# Altium PCB fmuvxX-baseT1.PcbDoc (part 2 of 5) (continued)
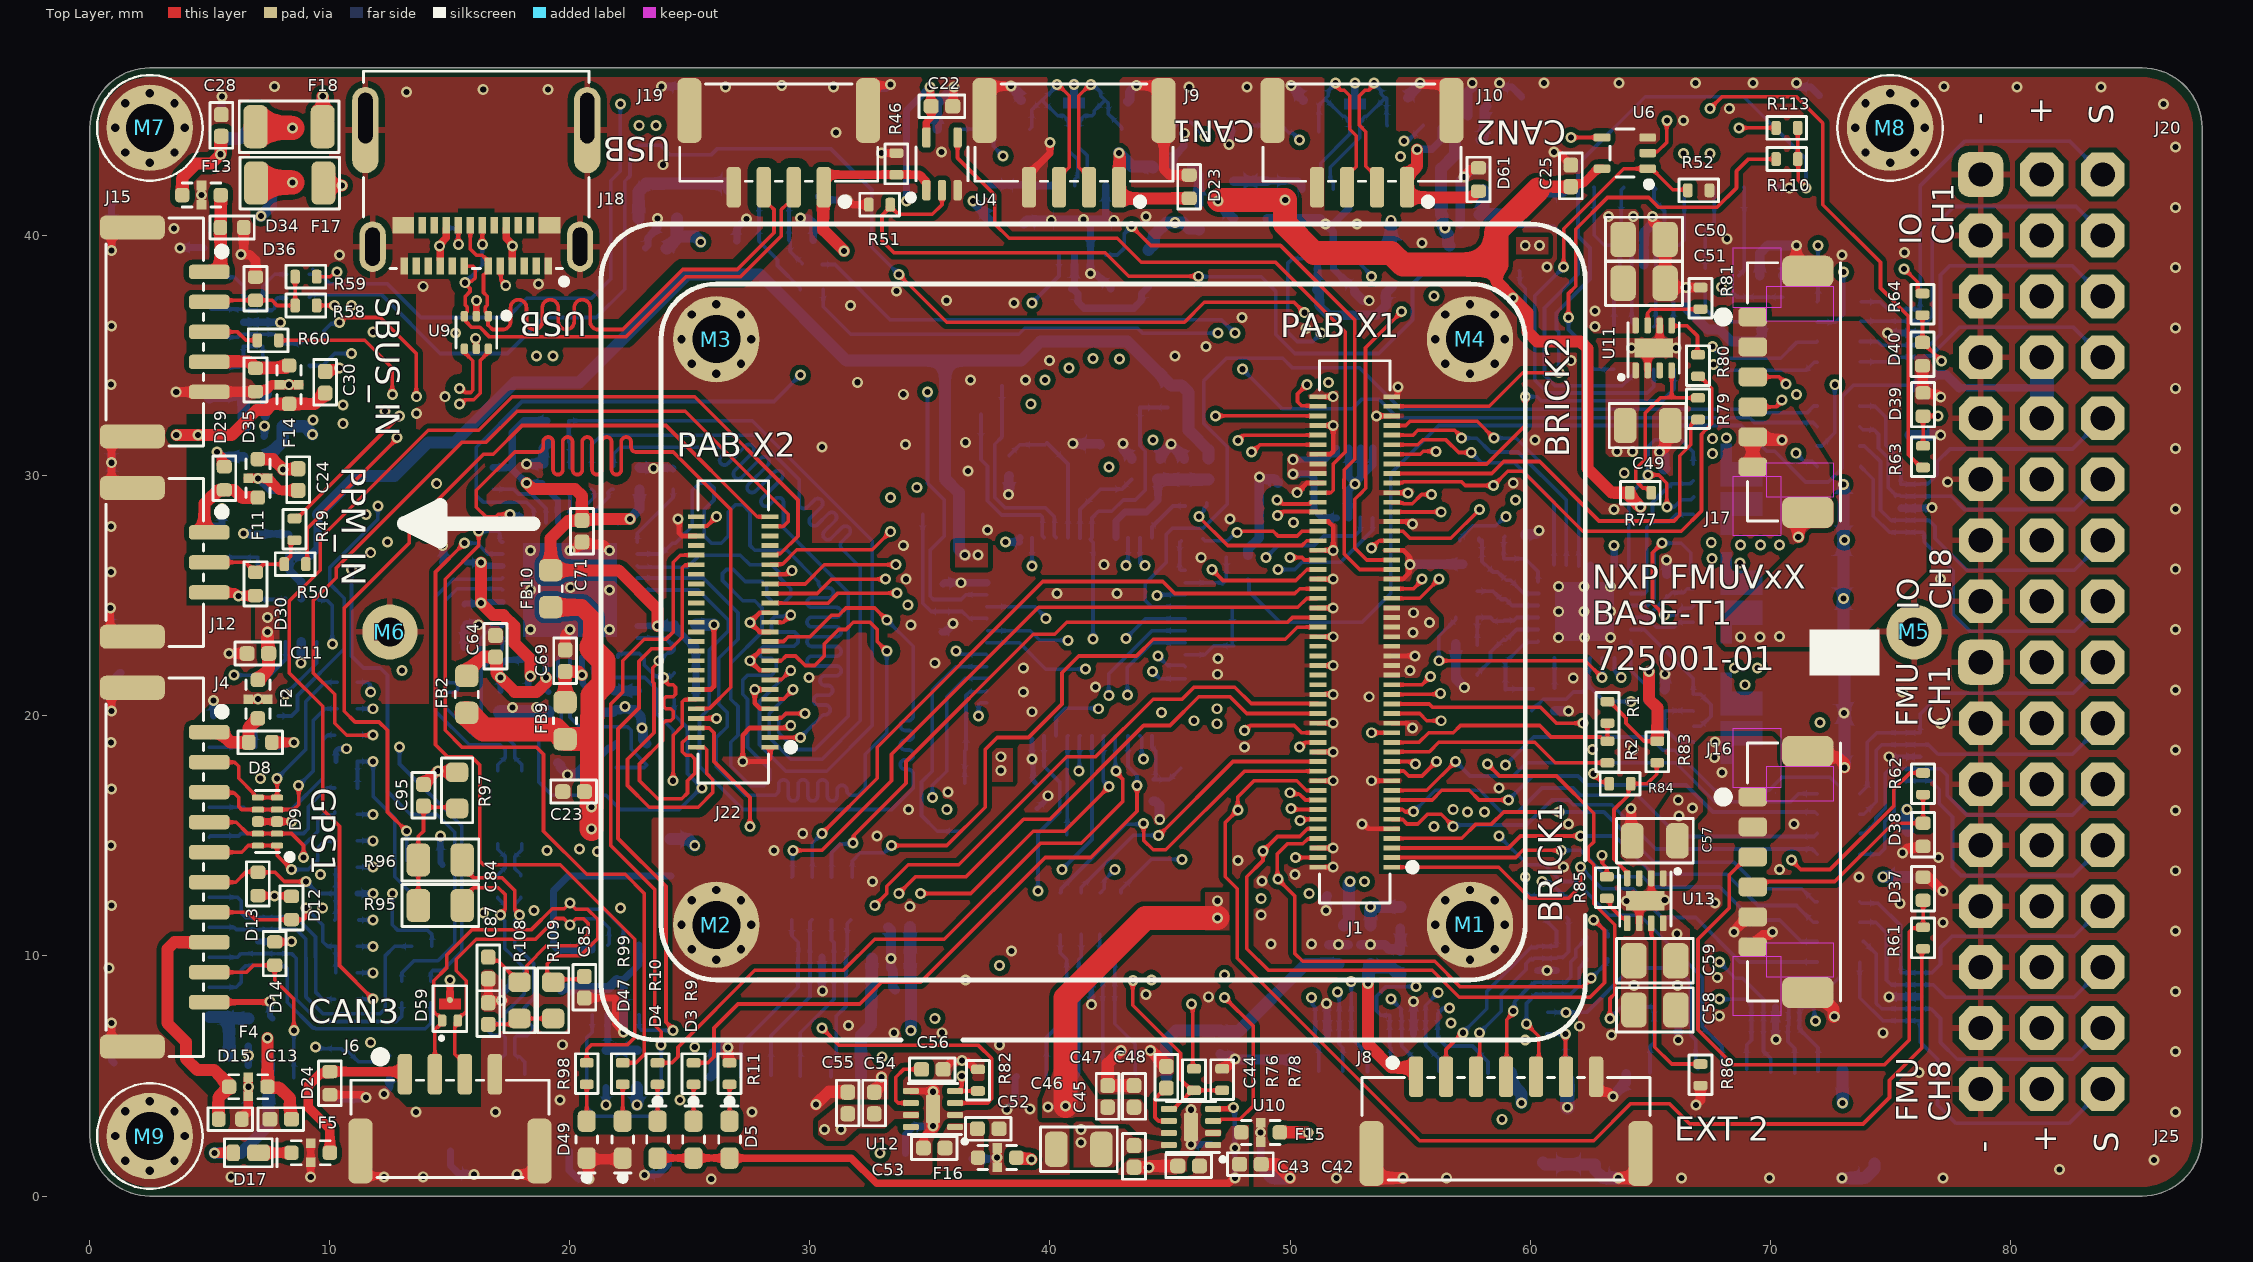
[diagram p0: Top Layer view]
## Part data (continued)
R3 R7 R8 R12 R14 R26 R27 R37 R47 R51 R52 R55 R56 R57 R60 R76 R82 R91 R92 R93 R94 R100: library part RES_10K_1%_1/16W_0402, Manufacturer="Vishay Dale", Manufacturer Part Number=CRCW040210K0FKED, Operating Temperature="-55°C ~ 155°C", Power=1/16W, Supplier Part Number 1=541-10.0KLCT-ND, Tolerance=±1%, Category=Resistors, ComponentLink1Description=https://www.digikey.com/products/en?keywords=311-10.0KLRCT-ND, ComponentLink1URL=https://www.digikey.com/products/en?keywords=311-10.0KLRCT-ND, Packaging="Cut Tape (CT)", Part Status=Active, Pricing 1="1=0.1, 10=0.014, 100=0.0056, 1000=0.00253, 2500=0.0022, 5000=0.00181 (USD)", Stock 1=37996194, Supplier 1=Digi-Key
R4: library part RES_20K_1%_1/16W_0402, Manufacturer=Yageo, Manufacturer Part Number=RC0402FR-0720KL, Operating Temperature="-55°C ~ 155°C", Power=1/16W, Supplier Part Number 1=311-20.0KLRCT-ND, Tolerance=±1%, Category=Resistors, ComponentLink1Description=https://www.digikey.com/products/en?keywords=311-20.0KLRCT-ND, ComponentLink1URL=https://www.digikey.com/products/en?keywords=311-20.0KLRCT-ND, Packaging="Cut Tape (CT)", Part Status=Active, Pricing 1="1=0.1, 10=0.014, 100=0.0056, 1000=0.00253, 2500=0.0022, 5000=0.00181 (USD)", Stock 1=8493470, Supplier 1=Digi-Key
R5 R6 R16 R17 R20 R21 R28 R29 R32 R33 R49 R50 R53 R58 R59 R104 R105: library part RES_220_1%_1/16W_0402, Manufacturer=Yageo, Manufacturer Part Number=RC0402FR-07220RL, Operating Temperature="-55°C ~ 155°C", Power=1/16W, Supplier Part Number 1=311-220LRCT-ND, Tolerance=±1%, Category=Resistors, ComponentLink1Description=https://www.digikey.com/products/en/resistors/chip-resistor-surface-mount/52?k=RC0402FR-07220RL&k=&pkeyword=RC0402FR-07220RL&pv7=2&sf=0&quantity=&ColumnSort=0&page=1&pageSize=25, ComponentLink1URL=https://www.digikey.com/products/en/resistors/chip-resistor-surface-mount/52?k=RC0402FR-07220RL&k=&pkeyword=RC0402FR-07220RL&pv7=2&sf=0&quantity=&ColumnSort=0&page=1&pageSize=25, Packaging="Cut Tape (CT)", Part Status=Active, Pricing 1="1=0.1, 10=0.014, 100=0.0056, 1000=0.00253, 2500=0.0022, 5000=0.00181 (USD)", Stock 1=897942, Supplier 1=Digi-Key
R9 R25: library part RES_1K5_1%_1/16W_0402, Manufacturer=Yageo, Manufacturer Part Number=RC0402FR-071K5L, Operating Temperature="-55°C ~ 155°C", Power=1/16W, Supplier Part Number 1=311-1.50KLRCT-ND, Tolerance=±1%, Category=Resistors, ComponentLink1Description=https://www.digikey.com/products/en/resistors/chip-resistor-surface-mount/52?k=RC0402FR-071K5L&k=&pkeyword=RC0402FR-071K5L&pv7=2&sf=0&quantity=&ColumnSort=0&page=1&pageSize=25, ComponentLink1URL=https://www.digikey.com/products/en/resistors/chip-resistor-surface-mount/52?k=RC0402FR-071K5L&k=&pkeyword=RC0402FR-071K5L&pv7=2&sf=0&quantity=&ColumnSort=0&page=1&pageSize=25, Packaging="Cut Tape (CT)", Part Status=Active, Pricing 1="1=0.1, 10=0.014, 100=0.0056, 1000=0.00253, 2500=0.0022, 5000=0.00181 (USD)", Stock 1=2210206, Supplier 1=Digi-Key
R10 R11: library part RES_2K2_1%_1/16W_0402, Manufacturer=Yageo, Manufacturer Part Number=RC0402FR-072K2L, Operating Temperature="-55°C ~ 155°C", Power=1/16W, Supplier Part Number 1=311-2.20KLRCT-ND, Tolerance=±1%, Category=Resistors, ComponentLink1Description=https://www.digikey.com/product-detail/en/yageo/RC0402FR-072K2L/311-2.20KLRCT-ND/729500, ComponentLink1URL=https://www.digikey.com/product-detail/en/yageo/RC0402FR-072K2L/311-2.20KLRCT-ND/729500, Packaging="Cut Tape (CT)", Part Status=Active, Pricing 1="1=0.1, 10=0.014, 100=0.0056, 1000=0.00253, 2500=0.0022, 5000=0.00181 (USD)", Stock 1=4729817, Supplier 1=Digi-Key
R13: library part RES_100K_1%_1/16W_0402, Manufacturer=Yageo, Manufacturer Part Number=RC0402FR-07100KL, Operating Temperature="-55°C ~ 155°C", Power=1/16W, Supplier Part Number 1=311-100KLRCT-ND, Tolerance=±1%, Category=Resistors, ComponentLink1Description=https://www.digikey.com/products/en/resistors/chip-resistor-surface-mount/52?k=RC0402FR-07100KL&k=&pkeyword=RC0402FR-07100KL&pv7=2&sf=0&quantity=&ColumnSort=0&page=1&pageSize=25, ComponentLink1URL=https://www.digikey.com/products/en/resistors/chip-resistor-surface-mount/52?k=RC0402FR-07100KL&k=&pkeyword=RC0402FR-07100KL&pv7=2&sf=0&quantity=&ColumnSort=0&page=1&pageSize=25, Packaging="Cut Tape (CT)", Part Status=Active, Pricing 1="1=0.1, 10=0.014, 100=0.0056, 1000=0.00253, 2500=0.0022, 5000=0.00181 (USD)", Stock 1=16720425, Supplier 1=Digi-Key
R15 R24 R54 R87 R88 R89 R90: library part RES_ARRAY_220_5%_1/16W_1206, Manufacturer=Yageo, Manufacturer Part Number=YC164-JR-07220RL, Operating Temperature="-55°C ~ 155°C", Power=1/16W, Supplier Part Number 1=YC164J-220CT-ND, Tolerance=±5%, Category=Resistors, ComponentLink1Description=https://www.digikey.com/products/en/resistors/resistor-networks-arrays/50?k=&pkeyword=&pv16=9574&sf=0&FV=fffc000d%2C1c0002%2C1f140000%2C24280001%2Cffe00032%2C40136&quantity=&ColumnSort=0&page=1&pageSize=25, ComponentLink1URL=https://www.digikey.com/products/en/resistors/resistor-networks-arrays/50?k=&pkeyword=&pv16=9574&sf=0&FV=fffc000d%2C1c0002%2C1f140000%2C24280001%2Cffe00032%2C40136&quantity=&ColumnSort=0&page=1&pageSize=25, Packaging="Cut Tape (CT)", Part Status=Active, Pricing 1="1=0.1, 10=0.014, 100=0.0056, 1000=0.00253, 2500=0.0022, 5000=0.00181 (USD)", Stock 1=17927, Supplier 1=Digi-Key
R18 R19 R30 R31 R34 R35 R36 R42 R44 R45 R61 R62 R63 R64 R106: library part RES_120_1%_1/16W_0402, Manufacturer=Yageo, Manufacturer Part Number=RC0402FR-07120RL, Operating Temperature="-55°C ~ 155°C", Power=1/16W, Supplier Part Number 1=311-120LRCT-ND, Tolerance=±1%, Category=Resistors, ComponentLink1Description=https://www.digikey.com/products/en/resistors/chip-resistor-surface-mount/52?k=RC0402FR-07120RL&k=&pkeyword=RC0402FR-07120RL&pv7=2&sf=0&quantity=&ColumnSort=0&page=1&pageSize=25, ComponentLink1URL=https://www.digikey.com/products/en/resistors/chip-resistor-surface-mount/52?k=RC0402FR-07120RL&k=&pkeyword=RC0402FR-07120RL&pv7=2&sf=0&quantity=&ColumnSort=0&page=1&pageSize=25, Packaging="Cut Tape (CT)", Part Status=Active, Pricing 1="1=0.1, 10=0.014, 100=0.0056, 1000=0.00253, 2500=0.0022, 5000=0.00181 (USD)", Stock 1=607269, Supplier 1=Digi-Key
R22 R23: library part RES_68R_1%_1/16W_0402, Manufacturer=Yageo, Manufacturer Part Number=AC0402FR-0768RL, Operating Temperature="-55°C ~ 155°C", Power=1/16W, Supplier Part Number 1=YAG3507CT-ND, Tolerance=±1%, Category=Resistors, ComponentLink1Description=https://www.digikey.com/product-detail/en/yageo/AC0402FR-0768RL/YAG3507CT-ND/6006356, ComponentLink1URL=https://www.digikey.com/product-detail/en/yageo/AC0402FR-0768RL/YAG3507CT-ND/6006356, Packaging="Cut Tape (CT)", Part Status=Active, Pricing 1="1=0.1, 10=0.014, 100=0.0056, 1000=0.00253, 2500=0.0022, 5000=0.00181 (USD)", Stock 1=59902, Supplier 1=Digi-Key
R38 R107 R108 R109 R111 R112: library part RES_60.4_1%_1/4W_0603, Manufacturer="Vishay Dale", Manufacturer Part Number=RCS060360R4FKEA, Operating Temperature="-55°C ~ 155°C", Power=1/4W, Supplier Part Number 1=541-10484-1-ND, Tolerance=±1%, Category=Resistors, ComponentLink1Description=https://www.digikey.com/en/products/detail/vishay-dale/RCS060360R4FKEA/5868350, ComponentLink1URL=https://www.digikey.com/en/products/detail/vishay-dale/RCS060360R4FKEA/5868350, Packaging=Digi-Reel®, Part Status=Active, Pricing 1="1=0.15 (USD)", Stock 1=6966, Supplier 1=Digi-Key
R39 R40 R41: library part RES_49.9_1%_1/16W_0402, Manufacturer=Yageo, Manufacturer Part Number=RC0402FR-0749R9L, Operating Temperature="-55°C ~ 155°C", Power=1/16W, Supplier Part Number 1=311-49.9LRCT-ND, Tolerance=±1%, Category=Resistors, ComponentLink1Description=https://www.digikey.com/product-detail/en/yageo/RC0402FR-0749R9L/311-49.9LRCT-ND/729568, ComponentLink1URL=https://www.digikey.com/product-detail/en/yageo/RC0402FR-0749R9L/311-49.9LRCT-ND/729568, Packaging="Cut Tape (CT)", Part Status=Active, Pricing 1="1=0.1, 10=0.014, 100=0.0056, 1000=0.00253, 2500=0.0022, 5000=0.00181 (USD)", Stock 1=21141499, Supplier 1=Digi-Key
R43 R102: library part RES_2K_1%_1/16W_0402, Manufacturer=Yageo, Manufacturer Part Number=RC0402FR-072KL, Operating Temperature="-55°C ~ 155°C", Power=1/16W, Supplier Part Number 1=311-2KLRCT-ND, Tolerance=±1%, Category=Resistors, ComponentLink1Description=https://www.digikey.com/product-detail/en/yageo/RC0402FR-072KL/311-2KLRCT-ND/2827883, ComponentLink1URL=https://www.digikey.com/product-detail/en/yageo/RC0402FR-072KL/311-2KLRCT-ND/2827883, Packaging="Cut Tape (CT)", Part Status=Active, Pricing 1="1=0.1, 10=0.014, 100=0.0056, 1000=0.00253, 2500=0.0022, 5000=0.00181 (USD)", Stock 1=18685853, Supplier 1=Digi-Key
R46: library part RES_1K_1%_1/16W_0402, Manufacturer=Yageo, Manufacturer Part Number=RC0402FR-071KL, Operating Temperature="-55°C ~ 155°C", Power=1/16W, Supplier Part Number 1=311-1.00KLRCT-ND, Tolerance=±1%, Category=Resistors, ComponentLink1Description=https://www.digikey.com/product-detail/en/yageo/RC0402FR-071KL/311-1.00KLRCT-ND/729460, ComponentLink1URL=https://www.digikey.com/product-detail/en/yageo/RC0402FR-071KL/311-1.00KLRCT-ND/729460, Packaging="Cut Tape (CT)", Part Status=Active, Pricing 1="1=0.1, 10=0.014, 100=0.0056, 1000=0.00253, 2500=0.0022, 5000=0.00181 (USD)", Stock 1=18685853, Supplier 1=Digi-Key
R48 R101 R103: library part RES_22R_1%_1/16W_0402, Manufacturer=Yageo, Manufacturer Part Number=RC0402FR-0722RL, Operating Temperature="-55°C ~ 155°C", Power=1/16W, Supplier Part Number 1=311-22.0LRCT-ND, Tolerance=±1%, Category=Resistors, ComponentLink1Description=https://www.digikey.com/product-detail/en/yageo/RC0402FR-0722RL/311-22.0LRCT-ND/729509, ComponentLink1URL=https://www.digikey.com/product-detail/en/yageo/RC0402FR-0722RL/311-22.0LRCT-ND/729509, Packaging="Cut Tape (CT)", Part Status=Active, Pricing 1="1=0.1, 10=0.014, 100=0.0056, 1000=0.00253, 2500=0.0022, 5000=0.00181 (USD)", Stock 1=24406416, Supplier 1=Digi-Key
R65 R66 R67: library part RES_453K_1%_1/16W_0402, Manufacturer=Yageo, Manufacturer Part Number=RC0402FR-07453KL, Operating Temperature="-55°C ~ 155°C", Power=1/16W, Supplier Part Number 1=YAG3164CT-ND, Tolerance=±1%, Category=Resistors, ComponentLink1Description=https://www.digikey.com/products/en/resistors/chip-resistor-surface-mount/52?k=&pkeyword=&pv2085=u453+kOhms&pv2=1&sf=0&FV=fffc000d%2C1c0002%2C1f140000%2Cffe00034%2Cc0001%2C2b80016&quantity=&ColumnSort=0&page=1&pageSize=25, ComponentLink1URL=https://www.digikey.com/products/en/resistors/chip-resistor-surface-mount/52?k=&pkeyword=&pv2085=u453+kOhms&pv2=1&sf=0&FV=fffc000d%2C1c0002%2C1f140000%2Cffe00034%2Cc0001%2C2b80016&quantity=&ColumnSort=0&page=1&pageSize=25, Packaging="Cut Tape (CT)", Part Status=Active, Pricing 1="1=0.1, 10=0.014, 100=0.0056, 1000=0.00253, 2500=0.0022, 5000=0.00181 (USD)", Stock 1=1103957, Supplier 1=Digi-Key
R68 R110 R113: library part RES_0R_1%_1/16W_0402, Manufacturer=Yageo, Manufacturer Part Number=RC0402JR-070RL, Operating Temperature="-55°C ~ 155°C", Power=1/16W, Supplier Part Number 1=311-0.0JRCT-ND, Tolerance=±1%, Category=Resistors, ComponentLink1Description=https://www.digikey.com/product-detail/en/yageo/RC0402JR-070RL/311-0.0JRCT-ND/729353, ComponentLink1URL=https://www.digikey.com/product-detail/en/yageo/RC0402JR-070RL/311-0.0JRCT-ND/729353, Packaging="Cut Tape (CT)", Part Status=Active, Pricing 1="1=0.1, 10=0.014, 100=0.0056, 1000=0.00253, 2500=0.0022, 5000=0.00181 (USD)", Stock 1=34962204, Supplier 1=Digi-Key
R69 R70 R71: library part RES_56K_1%_1/16W_0402, Manufacturer=Yageo, Manufacturer Part Number=AC0402FR-0756KL, Operating Temperature="-55°C ~ 155°C", Power=1/16W, Supplier Part Number 1=YAG3501CT-ND, Tolerance=±1%, Category=Resistors, ComponentLink1Description=https://www.digikey.com/product-detail/en/yageo/AC0402FR-0756KL/YAG3501CT-ND/6006350, ComponentLink1URL=https://www.digikey.com/product-detail/en/yageo/AC0402FR-0756KL/YAG3501CT-ND/6006350, Packaging="Cut Tape (CT)", Part Status=Active, Pricing 1="1=0.1, 10=0.014, 100=0.0056, 1000=0.00253, 2500=0.0022, 5000=0.00181 (USD)", Stock 1=261, Supplier 1=Digi-Key
R72 R73 R74: library part RES_105K_1%_1/16W_0402, Manufacturer=Yageo, Manufacturer Part Number=RC0402FR-07105KL, Operating Temperature="-55°C ~ 155°C", Power=1/16W, Supplier Part Number 1=YAG2946CT-ND, Tolerance=±1%, Category=Resistors, ComponentLink1Description=https://www.digikey.com/product-detail/en/yageo/RC0402FR-07105KL/YAG2946CT-ND/5281811, ComponentLink1URL=https://www.digikey.com/product-detail/en/yageo/RC0402FR-07105KL/YAG2946CT-ND/5281811, Packaging="Cut Tape (CT)", Part Status=Active, Pricing 1="1=0.1, 10=0.014, 100=0.0056, 1000=0.00253, 2500=0.0022, 5000=0.00181 (USD)", Stock 1=1079008, Supplier 1=Digi-Key
R75: library part RES_5.1K_1%_1/16W_0402, Manufacturer=Yageo, Manufacturer Part Number=RC0402FR-075K1L, Operating Temperature="-55°C ~ 155°C", Power=1/16W, Supplier Part Number 1=311-5.10KLRCT-ND, Tolerance=±1%, Category=Resistors, ComponentLink1Description=https://www.digikey.com/product-detail/en/yageo/RC0402FR-075K1L/311-5.10KLRCT-ND/729571, ComponentLink1URL=https://www.digikey.com/product-detail/en/yageo/RC0402FR-075K1L/311-5.10KLRCT-ND/729571, Packaging="Cut Tape (CT)", Part Status=Active, Pricing 1="1=0.1, 10=0.014, 100=0.0056, 1000=0.00253, 2500=0.0022, 5000=0.00181 (USD)", Stock 1=4559073, Supplier 1=Digi-Key
R77 R78 R79 R80 R83 R84 R85: library part RES_47K_1%_1/16W_0402, Manufacturer=Yageo, Manufacturer Part Number=RC0402FR-0747KL, Operating Temperature="-55°C ~ 155°C", Power=1/16W, Supplier Part Number 1=311-47.0KLRCT-ND, Tolerance=±1%, Category=Resistors, ComponentLink1Description=https://www.digikey.com/product-detail/en/vishay-dale/CRCW040247K0FKEDC/541-3966-1-ND/7928649, ComponentLink1URL=https://www.digikey.com/product-detail/en/vishay-dale/CRCW040247K0FKEDC/541-3966-1-ND/7928649, Packaging="Cut Tape (CT)", Part Status=Active, Pricing 1="1=0.1, 10=0.014, 100=0.0056, 1000=0.00253, 2500=0.0022, 5000=0.00181 (USD)", Stock 1=959925, Supplier 1=Digi-Key
R81 R86: library part RES_16.9K_1%_1/16W_0402, Manufacturer=Yageo, Manufacturer Part Number=RC0402FR-0716K9L, Operating Temperature="-55°C ~ 155°C", Power=1/16W, Supplier Part Number 1=YAG3003CT-ND, Tolerance=±1%, Category=Resistors, ComponentLink1Description=https://www.digikey.com/product-detail/en/yageo/RC0402FR-0716K9L/YAG3003CT-ND/5281868, ComponentLink1URL=https://www.digikey.com/product-detail/en/yageo/RC0402FR-0716K9L/YAG3003CT-ND/5281868, Packaging="Cut Tape (CT)", Part Status=Active, Pricing 1="1=0.1, 10=0.014, 100=0.0056, 1000=0.00253, 2500=0.0022, 5000=0.00181 (USD)", Stock 1=8493470, Supplier 1=Digi-Key
R95 R96: library part RES_1K_1%_0.4W_0805, Manufacturer="Rohm Semiconductor", Manufacturer Part Number=ESR10EZPF1001, Operating Temperature="-55°C ~ 155°C", Power=0.4W, Supplier Part Number 1=RHM1.00KAECT-ND, Tolerance=±1%, Category=Resistors, ComponentLink1Description=https://www.digikey.com/en/products/detail/rohm-semiconductor/ESR10EZPF1001/1983480, ComponentLink1URL=https://www.digikey.com/en/products/detail/rohm-semiconductor/ESR10EZPF1001/1983480, Packaging="Cut Tape (CT)", Part Status=Active, Pricing 1="1=0.18 (USD)", Stock 1=368234, Supplier 1=Digi-Key
R97: library part RES_100K_1%_1/10W_0603, Manufacturer=Yageo, Manufacturer Part Number=RC0603FR-07100KL, Operating Temperature="-55°C ~ 155°C", Power=1/10W, Supplier Part Number 1=311-100KHRDKR-ND, Tolerance=±1%, Category=Resistors, ComponentLink1Description=http://www.yageo.com/documents/recent/PYu-RC_Group_51_RoHS_L_7.pdf, ComponentLink1URL=http://www.yageo.com/documents/recent/PYu-RC_Group_51_RoHS_L_7.pdf, Packaging=Digi-Reel®, Part Status=Active, Pricing 1="1=0.1, 10=0.015, 100=0.006, 1000=0.00268, 2500=0.00233 (USD)", Stock 1=10050286, Supplier 1=Digi-Key
R98 R99: library part RES_680_1%_1/16W_0402, Manufacturer=Yageo, Manufacturer Part Number=AC0402FR-07680RL, Operating Temperature="-55°C ~ 155°C", Power=1/16W, Supplier Part Number 1=YAG3505CT-ND, Tolerance=±1%, Category=Resistors, ComponentLink1Description=https://www.digikey.com/en/products/detail/yageo/AC0402FR-07680RL/5895472, ComponentLink1URL=https://www.digikey.com/en/products/detail/yageo/AC0402FR-07680RL/5895472, Packaging="Cut Tape (CT)", Part Status=Active, Pricing 1="1=0.1, 10=0.014, 100=0.0056, 1000=0.00253, 2500=0.0022, 5000=0.00181 (USD)", Stock 1=97012, Supplier 1=Digi-Key
TP2 TP3 TP4 TP5 TP6 TP7 TP8 TP9 TP17: library part TESTPOINT_PAD_SMD, Manufacturer=N/A, Category="Test and Measurement"
U1: library part IC_STM32F103C8T7, Manufacturer=STMicroelectronics, Manufacturer Part Number=STM32F103C8T7, Operating Temperature="-40°C ~ 105°C (TA)", Package / Case=48-LQFP, Supplier Device Package="48-LQFP (7x7)", Supplier Part Number 1=497-11517-ND, Voltage - Supply (Vcc/Vdd)="2 V ~ 3.6 V", Category="Integrated Circuits (ICs)", ComponentLink1Description=https://www.digikey.com/product-detail/en/stmicroelectronics/STM32F103C8T7/497-11517-ND/2214603, ComponentLink1URL=https://www.digikey.com/product-detail/en/stmicroelectronics/STM32F103C8T7/497-11517-ND/2214603, Connectivity="CAN, I²C, IrDA, LIN, SPI, UART/USART, USB", Core Processor="ARM® Cortex®-M3", Core Size=32-Bit, Data Converters="A/D 10x12b", EEPROM Size=-, Number of I/O=37, Oscillator Type=Internal, Packaging=Tray, Part Status=Active, Peripherals="DMA, Motor Control PWM, PDR, POR, PVD, PWM, Temp Sensor, WDT", Pricing 1="1=5.05, 10=4.536, 250=3.52556, 500=3.16346, 1000=2.66798  (USD)", Program Memory Size="64KB (64K x 8)", Program Memory Type=FLASH, RAM Size="20K x 8", RoHS="RoHS Compliant", Speed=72MHz, Stock 1=2415, Supplier 1=Digi-Key
U2 U3 U15: library part IC_TJA1462ATK/0Z_8-HVSON, Manufacturer="NXP USA Inc.", Manufacturer Part Number=TJA1462ATK/0Z, Operating Temperature="-40°C ~ 150°C", Supplier Part Number 1=568-TJA1462ATK/0ZCT-ND, Category="Integrated Circuits (ICs)", ComponentLink1Description=https://www.digikey.com/en/products/detail/nxp-usa-inc/TJA1462ATK-0Z/13590298?s=N4IgTCBcDaICoCkCCBGALANjEuBpA9AAwBaIAugL5A, ComponentLink1URL=https://www.digikey.com/en/products/detail/nxp-usa-inc/TJA1462ATK-0Z/13590298?s=N4IgTCBcDaICoCkCCBGALANjEuBpA9AAwBaIAugL5A, Packaging="Tape & Reel (TR)", Part Status=Active, Pricing 1="1=1.57 (USD)", Stock 1=0, Supplier 1=Digi-Key
U4: library part IC_GATE_SINGLE_OR_SC88A, Manufacturer="ON Semiconductor", Manufacturer Part Number=MC74VHC1G32DFT1G, Operating Temperature="-55°C ~ 125°C", Supplier Part Number 1=MC74VHC1G32DFT1GOSCT-ND, Category="Integrated Circuits (ICs)", ComponentLink1Description=https://www.digikey.com/product-detail/en/on-semiconductor/MC74VHC1G32DFT1G/MC74VHC1G32DFT1GOSCT-ND/1967119, ComponentLink1URL=https://www.digikey.com/product-detail/en/on-semiconductor/MC74VHC1G32DFT1G/MC74VHC1G32DFT1GOSCT-ND/1967119, Packaging="Cut Tape (CT)", Part Status=Active, Pricing 1="1=0.31 (USD)", Stock 1=5437, Supplier 1=Digi-Key
U6: library part IC_GATE_SINGLE_NAND_SCHMITT_OPEN_DRAIN, Manufacturer="ON Semiconductor", Manufacturer Part Number=M74VHC1G135DFT1G, Operating Temperature="-55°C ~ 125°C", Supplier Part Number 1=M74VHC1G135DFT1GOSDKR-ND, Category="Integrated Circuits (ICs)", ComponentLink1Description=https://www.digikey.com/product-detail/en/on-semiconductor/M74VHC1G135DFT1G/M74VHC1G135DFT1GOSDKR-ND/4331868, ComponentLink1URL=https://www.digikey.com/product-detail/en/on-semiconductor/M74VHC1G135DFT1G/M74VHC1G135DFT1GOSDKR-ND/4331868, ID="OPEN DRAIN NAND", Packaging="Cut Tape (CT)", Part Status=Active, Pricing 1="1=0.34, 10=0.28, 100=0.1485, 500=0.09772, 1000=0.06645 (USD)", Stock 1=57000, Supplier 1=Digi-Key
U7: library part IC_GATE_DUAL_INV_SC70-6, Manufacturer="Texas Instruments", Manufacturer Part Number=SN74LVC2GU04DCKR, Max Operating Temperature=125°C, Min Operating Temperature=-40°C, Supplier Part Number 1=296-13277-1-ND, Category="Integrated Circuits (ICs)", ComponentLink1Description=https://www.digikey.com/product-detail/en/texas-instruments/SN74LVC2GU04DCKR/296-13277-1-ND/484490, ComponentLink1URL=https://www.digikey.com/product-detail/en/texas-instruments/SN74LVC2GU04DCKR/296-13277-1-ND/484490, Packaging="Cut Tape (CT)", Pricing 1="1=0.61, 10=0.521, 100=0.3893, 500=0.30592, 1000=0.23639 (USD)", Stock 1=44331, Supplier 1=Digi-Key
U8: library part IC_LTC4417, Current - Output (Max)=-, Current - Supply=28µA, Manufacturer="Linear Technology/Analog Devices", Manufacturer Part Number=LTC4417IUF#PBF, Operating Temperature="-40°C ~ 85°C", Package / Case="24-WFQFN Exposed Pad", Supplier Device Package="24-QFN (4x4)", Supplier Part Number 1=LTC4417IUF#PBF-ND, Voltage - Supply="2.5 V ~ 36 V", Applications="Battery Backup, Handheld/Mobile Devices", Category="Integrated Circuits (ICs)", ComponentLink1Description=https://www.digikey.com/product-detail/en/linear-technology-analog-devices/LTC4417IUF-PBF/LTC4417IUF-PBF-ND/3838535, ComponentLink1URL=https://www.digikey.com/product-detail/en/linear-technology-analog-devices/LTC4417IUF-PBF/LTC4417IUF-PBF-ND/3838535, FET Type=P-Channel, Mounting Type="Surface Mount", Packaging=Tube, Part Status=Active, Pricing 1="1=8.73 (USD)", Ratio - Input:Output=3:1, RoHS="RoHS Compliant", Stock 1=7448, Supplier 1=Digi-Key, Type="Source Selector Switch"
U9: library part IC_NUF2042XV6_SOT563, Manufacturer="ON Semiconductor", Manufacturer Part Number=NUF2042XV6T1G, Operating Temperature="-55°C ~ 125°C", Supplier Part Number 1=NUF2042XV6T1GOSCT-ND, Voltage - Rated=-, Category=Filters, ComponentLink1Description=https://www.digikey.com/products/en/filters/emi-rfi-filters-lc-rc-networks/835?k=nuf2042xv6&k=&pkeyword=nuf2042xv6&pv7=2&pv1989=0&sf=0&quantity=&ColumnSort=0&page=1&pageSize=25, ComponentLink1URL=https://www.digikey.com/products/en/filters/emi-rfi-filters-lc-rc-networks/835?k=nuf2042xv6&k=&pkeyword=nuf2042xv6&pv7=2&pv1989=0&sf=0&quantity=&ColumnSort=0&page=1&pageSize=25, Packaging="Cut Tape (CT)", Part Status=Active, Pricing 1="1=0.31, 10=0.286, 25=0.2728, 50=0.264, 100=0.2552, 250=0.242, 500=0.2024, 1000=0.15708 (USD)", Stock 1=4900, Supplier 1=Digi-Key
U10 U12: library part IC_MIC5332-SSYMT-TR, Manufacturer="Microchip Technology", Manufacturer Part Number=MIC5332-SSYMT-TR, Operating Temperature="-40°C ~ 125°C", Supplier Part Number 1=576-4110-1-ND, Category="Integrated Circuits (ICs)", ComponentLink2Description=https://www.digikey.com/product-detail/en/microchip-technology/MIC5332-SSYMT-TR/576-4110-1-ND/3671745, ComponentLink2URL=https://www.digikey.com/product-detail/en/microchip-technology/MIC5332-SSYMT-TR/576-4110-1-ND/3671745, Packaging="Cut Tape (CT)", Part Status=Active, Pricing 1="1=1, 25=0.8296, 100=0.756 (USD)", Stock 1=9000, Supplier 1=Digi-Key
U11 U13: library part IC_BQ24315DSGT_8WSON, Manufacturer="Texas Instruments", Manufacturer Part Number=BQ24315DSGR, Operating Temperature="-40°C ~ 125°C (TJ)", Supplier Part Number 1=296-23341-1-ND, Category="Integrated Circuits (ICs)", ComponentLink1Description=https://www.digikey.com/product-detail/en/texas-instruments/BQ24315DSGR/296-23341-1-ND/1833318, ComponentLink1URL=https://www.digikey.com/product-detail/en/texas-instruments/BQ24315DSGR/296-23341-1-ND/1833318, Packaging="Cut Tape (CT)", Part Status=Active, Pricing 1="1=1.05, 10=0.936, 100=0.7297, 500=0.60276, 1000=0.47586 (USD)", Stock 1=9524, Supplier 1=Digi-Key
U14: library part IC_TJA1103A_ETHERNET_HVQFN36, Manufacturer="NXP SEMICONDUCTORS", Manufacturer Part Number=TJA1103AHN, Operating Temperature="-40°C ~ 125°C", Category="Integrated Circuits (ICs)", Packaging="Cut Tape (CT)", Part Status=Active, Pricing 1="1=TBD (USD)", Stock 1=0, Supplier 1=Digi-Key
U16: library part IC_EEPROM_64K_I2C_8DFN, Manufacturer="Microchip Technology", Manufacturer Part Number=24LC64T-I/MC, Operating Temperature="-40°C ~ 85°C (TA)", Supplier Part Number 1=24LC64T-I/MCCT-ND, Category="Integrated Circuits (ICs)", ComponentLink1Description=https://www.digikey.com/products/en/integrated-circuits-ics/memory/774?k=&pkeyword=&sv=0&pv7=2&sf=0&FV=fffc0096&mpart=24LC64T-I%2FMC&quantity=&ColumnSort=0&page=1&pageSize=25, ComponentLink1URL=https://www.digikey.com/products/en/integrated-circuits-ics/memory/774?k=&pkeyword=&sv=0&pv7=2&sf=0&FV=fffc0096&mpart=24LC64T-I%2FMC&quantity=&ColumnSort=0&page=1&pageSize=25, ID="64KBIT 8DFN", Packaging="Cut Tape (CT)", Part Status=Active, Pricing 1="1=0.47 (USD)", Stock 1=2351, Supplier 1=Digi-Key
X1: library part XTAL_24MHZ_4-SMD, Frequency=24MHz, Frequency Stability=±15ppm, Frequency Tolerance=±10ppm, Load Capacitance=8pF, Manufacturer="Kyocera International Inc. Electronic Components", Manufacturer Part Number=CX3225SB24000D0FLJCC, Operating Temperature="-30°C ~ 85°C", Supplier Part Number 1=1253-1745-1-ND, Category="Crystals, Oscillators, Resonators", ComponentLink1Description=https://www.digikey.com/products/en?keywords=1253-1745-1-ND, ComponentLink1URL=https://www.digikey.com/products/en?keywords=1253-1745-1-ND, Packaging="Cut Tape (CT)", Part Status=Active, Pricing 1="1=0.73, 10=0.605, 50=0.5446, 100=0.484, 500=0.4598, 1000=0.3872 (USD)", Stock 1=4069, Supplier 1=Digi-Key
X2: library part XTAL_25.0000MHZ_6PF_4-SMD, Frequency=25MHz, Frequency Stability=±35ppm, Load Capacitance=6pF, Manufacturer="Murata Electronics", Manufacturer Part Number=XRCGB25M000F3A00R0, Operating Temperature="-40°C ~ 125°C", Supplier Part Number 1=490-12146-1-ND, Category="Crystals, Oscillators, Resonators", ComponentLink1Description=https://www.digikey.com/en/products/detail/murata-electronics/XRCGB25M000F3A00R0/5403569?s=N4IgTCBcDaIB4CcDGBzARmArAWwAz4DMBmAQ3wVxAF0BfIA, ComponentLink1URL=https://www.digikey.com/en/products/detail/murata-electronics/XRCGB25M000F3A00R0/5403569?s=N4IgTCBcDaIB4CcDGBzARmArAWwAz4DMBmAQ3wVxAF0BfIA, Frequency Tolerance=±35ppm, Packaging="Cut Tape (CT)", Part Status=Active, Pricing 1="1=0.55 (USD)", Stock 1=4510, Supplier 1=Digi-Key

## Via types
v1: diameter 0.457, hole 0.254, Top Layer to Bottom Layer, tented both sides, 788 vias
v2: diameter 0.65, hole 0.35, Top Layer to Bottom Layer, 56 vias

## Nets (pads, with @x,y where several pads share a name; then routed paths per layer and width w, separated by ;. In a path a pad name is that pad's centre, name@x,y a point inside that pad or via, vN(x,y) a via of type N, cw(c..) or ccw(c..) an arc to the next point about the centre after c; other vN are vias at no path point)
ADC1_3V3: C81.1 J1.92 R55.1 | length 32.9
  Top Layer w0.152: v1(47.841,31.475) 47.841,31.491 48.05,31.7 J1.92@51.16,31.7
  Signal Layer 3 w0.152: v1(47.841,31.475) 47.825,31.459 47.825,30.775 48.1,30.5 48.825,30.5 49.625,31.3 50.6,31.3 51.776,30.124 58.224,30.124 58.5,30.4 60.8,30.4 63.175,32.775 67.375,32.775 68.625,34.025 68.625,36.075 v1(68,36.7)
  Bottom Layer w0.152: R55.1@67.3,37.75 67.3,36.95 67.55,36.7 v1(68,36.7) 68.275,36.425 C81.1@68.775,36.425
ADC1_3V3_AUX: J14.6 R55.2 | length 3.5
  Bottom Layer w0.152: R55.2@67.3,38.65 67.3,40.2 67.675,40.575 67.675,42.016 J14.6@67.661,42.03
ADC1_6V6: C29.1 J1.90 R56.1 R57.1 | length 31.9
  Top Layer w0.152: v1(48.4,31) 48.447,31 48.747,31.3 J1.90@51.16,31.3
  Signal Layer 3 w0.152: v1(48.4,31) 48.4,31.05 49.15,31.8 51.1,31.8 52.4,30.5 58,30.5 58.5,31 60.6,31 62.9,33.3 67.1,33.3 68.146,34.346 68.146,35.804 67.4,36.55 67.4,37.3 v1(67.975,37.875)
  Bottom Layer w0.152: v1(67.975,37.875) 68.291,37.559 68.516,37.559 R56.1@68.625,37.45 ; R56.1@68.652,37.452 R56.1@68.675,37.475 ; R56.1@68.7,37.45 R57.1@69.575,37.45 C29.1@70.525,37.45
ADC1_6V6_AUX: J14.7 R56.2 | length 3.8
  Bottom Layer w0.152: R56.2@68.702,38.35 68.839,38.487 68.839,38.489 68.925,38.575 68.925,42.016 J14.7@68.911,42.03
BUZZ-: D14.2 J4.9 Q1.3 | length 7.9
  Top Layer w0.152: J4.9@4.97,9.325 6.525,9.325 6.815,9.615 D14.2@7.7,9.615 7.7,9 8.5,8.2 v1(8.5,6.9)
  Bottom Layer w0.152: Q1.3@8.5,4.922 v1(8.5,6.9)
BUZZER_1: J1.4 Q1.1 R26.1 | length 51.9
  Top Layer w0.152: v1(50.225,14.1) J1.4@51.16,14.1
  Signal Layer 3 w0.152: v1(9.4,6.2) 10.8,4.8 30.8,4.8 33.75,7.75 34.55,7.75 38.9,12.1 38.9,12.9 40.1,14.1 40.9,14.1 41.336,13.664 41.336,13.139 42.175,12.3 46.3,12.3 47.225,13.225 48.125,13.225 48.7,13.8 49.2,13.8 49.5,14.1 v1@50.2,14.1 ; v1@50.225,14.075 v1@50.2,14.1 ; v1(50.225,14.1) v1@50.2,14.1
  Bottom Layer w0.152: v1(9.4,6.2) 9.458,6.142 10.463,6.142 Q1.1@10.505,6.1 ; Q1.1@10.555,6.05 10.725,6.05 11.175,5.6 12.197,5.6 12.301,5.704 12.301,5.728 12.423,5.85 R26.1@12.5,5.85
CAN1_5V_FLT: D23.2 F8.3 J9.1 | length 6.3
  Top Layer w0.5: J9.1@42.875,42.025 42.875,41.615 42.925,41.565 D23.2@45.8,41.565 ; J9.1@42.875,42.1 v1@42.9,43.4
  Bottom Layer w0.5: v1(42.875,43.45) 43.425,42.9 44.25,42.9 F8.3@44.3,42.85
CAN1_N: C20.1 D58.2 J9.3 R38.1 U2.6 | length 11.5
  Top Layer w0.147: v1(40.3,46.3) 40.336,46.3 40.799,45.837 40.799,42.853 40.7,42.754 40.596,42.754 40.375,42.534 J9.3@40.375,42.025
  Bottom Layer w0.147: R38.1@39.155,44.45 39.25,44.545 39.25,45.25 39.679,45.679 39.722,45.679 39.722,45.692 40.3,46.27 v1(40.3,46.3) ; C20.1@39.7,45.65 39.693,45.65 39.684,45.641 40.317,45.008 40.575,45.008 40.675,44.908 D58.2@40.675,44.84 40.768,44.747 40.768,44.609 40.799,44.577 40.799,43.533 41.149,43.183 41.149,42.483 41.025,42.358 U2.6@41.025,42.095
CAN1_P: C83.1 D58.1 J9.2 R107.1 U2.7 | length 11.7
  Top Layer w0.147: J9.2@41.625,42.025 41.625,42.534 41.404,42.754 41.3,42.754 41.201,42.853 41.201,45.837 41.702,46.338 41.75,46.338 v1@41.75,46.4
  Bottom Layer w0.147: U2.7@41.675,42.095 41.675,42.358 41.551,42.483 41.551,43.349 41.201,43.699 41.201,44.577 41.232,44.609 41.232,44.747 D58.1@41.325,44.84 41.325,44.908 41.425,45.008 41.758,45.008 41.85,45.1 41.85,45.21 42.29,45.65 C83.1@42.3,45.65 ; v1@41.75,46.4 41.75,46.351 42.105,45.995 42.105,45.845 42.32,45.63 42.435,45.515 42.435,45.074 42.995,44.514 R107.1@42.995,44.45
  other v1: 41.7,46.3
CAN1_RX: J1.65 U2.4 | length 32
  Top Layer w0.152: J1.65@54.24,26.5 53.2,26.5 52.7,27 52.7,29.029 52.885,29.215 52.892,29.215 53.158,29.481 53.158,29.942 53.145,29.955 53.145,35.338 53.972,36.165 v1(54.65,36.843)
  Signal Layer 3 w0.152: v1(39.25,37.2) 40.05,36.4 42.7,36.4 43.6,37.3 46,37.3 47,38.3 52.4,38.3 52.855,37.845 53.647,37.845 v1(54.65,36.843)
  Bottom Layer w0.152: v1(39.25,37.2) 40.375,38.325 U2.4@40.375,39.205
CAN1_TX: J1.63 U2.1 | length 25
  Top Layer w0.152: v1(43.4,40.4) 44.2,39.6 49.6,39.6 52.7,36.5 52.7,30.7 52.255,30.255 52.255,29.864 52.249,29.858 52.249,29.481 52.255,29.475 52.255,26.745 52.9,26.1 J1.63@54.24,26.1
  Bottom Layer w0.152: U2.1@42.325,39.205 42.805,39.205 43.1,39.5 43.1,40.1 v1(43.4,40.4)
CAN2_5V_FLT: D61.2 F9.3 J10.1 | length 8
  Top Layer w0.5: v1(55.3,43.6) 55.3,42.918 55.007,42.625 54.925,42.625 54.875,42.575 54.875,41.65 54.925,41.6 57.55,41.6 57.815,41.865 D61.2@57.85,41.865
  Bottom Layer w0.3: v1(55.3,43.6) 55.311,43.611 55.911,43.611 56.3,44 56.3,44.5 56.6,44.8 F9.3@56.6,45.4
CAN2_N: C90.1 D62.2 J10.3 R111.1 U15.6 | length 12.2
  Top Layer w0.147: v1@51.75,46.35 51.813,46.35 52.099,46.064 52.265,46.064 52.492,45.836 52.492,44.44 52.758,44.174 52.758,42.888 52.672,42.801 52.643,42.801 52.375,42.534 J10.3@52.375,42.025
  Bottom Layer w0.147: U15.6@51.15,41.94 51.15,42.203 51.274,42.328 51.274,43.024 52.499,44.249 52.499,44.547 52.468,44.579 52.468,44.717 D62.2@52.375,44.81 52.375,44.878 52.275,44.978 52.194,44.978 51.522,45.65 C90.1@51.4,45.65 ; R111.1@51.2,44.35 51.2,45.332 51.205,45.338 51.205,45.455 C90.1@51.4,45.65 ; v1@51.9,46.35 51.595,46.045 51.595,45.845 C90.1@51.4,45.65
  other v1: 51.9,46.375
CAN2_P: C91.1 D62.1 J10.2 R112.1 U15.7 | length 12
  Top Layer w0.147: J10.2@53.625,42.025 53.625,42.534 53.404,42.754 53.3,42.754 53.16,42.894 53.16,44.34 52.893,44.607 52.893,45.836 53.133,46.076 53.288,46.076 53.587,46.375 v1@53.625,46.375
  Bottom Layer w0.147: U15.7@51.8,41.94 51.8,42.203 51.676,42.328 51.676,42.858 52.901,44.083 52.901,44.547 52.932,44.579 52.932,44.717 D62.1@53.025,44.81 53.025,44.878 53.125,44.978 53.204,44.978 53.936,45.709 53.991,45.709 53.805,45.895 53.805,46.045 v1@53.5,46.35 ; C91.1@54,45.75 54.023,45.728 54.023,44.622 R112.1@54.045,44.6
  other v1: 53.5,46.375
CAN2_RX: J1.59 U15.4 | length 19.2
  Top Layer w0.152: J1.59@54.24,25.3 55.146,25.3 55.5,25.654 v1(55.5,25.7)
  Signal Layer 4 w0.152: v1(51.3,35.95) 51.3,35.5 54.2,32.6 54.2,26.2 54.7,25.7 v1(55.5,25.7)
  Bottom Layer w0.152: U15.4@50.5,39.05 50.1,39.05 49.9,38.85 49.9,36 50.3,35.6 50.95,35.6 v1(51.3,35.95)
CAN2_TX: J1.57 U15.1 | length 17.4
  Top Layer w0.152: J1.57@54.24,24.9 55.4,24.9 v1(56.2,25.7)
  Signal Layer 4 w0.152: v1(53.4,38.3) 53.446,38.3 53.8,37.946 53.8,33.6 55.4,32 55.4,28.6 55.555,28.445 55.555,26.945 56.2,26.3 v1(56.2,25.7)
  Bottom Layer w0.152: U15.1@52.45,39.05 52.484,39.05 52.534,39.001 52.749,39.001 53.4,38.35 v1(53.4,38.3)
CAN3_5V_FLT: D24.2 F5.3 J6.1 | length 7.5
  Top Layer w0.4: F5.3@10,1.8 10,2.8 9.104,3.696 9.104,4.604 9.605,5.105 9.92,5.105 D24.2@10,5.185 13.015,5.185 J6.1@13.125,5.075
CAN3_N: C84.1 D59.2 J6.3 R108.1 U3.6 | length 20.5
  Top Layer w0.147: J6.3@15.625,5.075 15.625,5.584 15.404,5.804 15.3,5.804 15.201,5.903 15.201,7.047 15.232,7.079 15.232,7.217 D59.2@15.325,7.31 15.325,7.378 15.504,7.556 15.543,7.556 15.674,7.687 15.674,8.966 15.262,9.378 15.262,9.862 16.1,10.7 18.568,10.7 19.428,11.561 19.739,11.561 v1(20,11.3) 20.249,11.549 20.566,11.549 20.755,11.359 20.755,10.896 20.279,10.419 19.019,10.419 18.2,9.6 18.2,9.205 R108.1@17.9,8.905 17.003,9.802 16.748,9.802 C84.1@16.6,9.95
  Bottom Layer w0.147: v1@20.1,11.396 20.257,11.554 21.238,11.554 21.636,11.155 21.636,10.506 U3.6@21.575,10.445
CAN3_P: C85.1 D59.1 J6.2 R109.1 U3.7 | length 21.9
  Top Layer w0.147: J6.2@14.375,5.075 14.375,6.928 14.675,7.228 D59.1@14.675,7.31 14.675,7.378 14.496,7.556 14.457,7.556 14.326,7.687 14.326,8.966 14.86,9.5 14.86,10.028 15.934,11.101 18.401,11.101 19.262,11.962 19.759,11.962 19.997,12.2 v1(20,12.2) ; v1@20,12.19 20.004,12.19 20.244,11.95 20.732,11.95 21.157,11.525 21.157,10.729 20.445,10.018 19.396,10.018 19.05,9.672 19.05,9.155 R109.1@19.3,8.905 19.423,9.028 20.478,9.028 C85.1@20.6,9.15
  Bottom Layer w0.147: v1(20,12.2) 20.245,11.955 21.404,11.955 22.225,11.134 U3.7@22.225,10.445
CAN3_RX: J22.42 U3.4 | length 33.6
  Top Layer w0.152: v1(23.8,6.3) 23.8,6.841 23.53,7.111 23.53,12.77 21.7,14.6 21.7,20.5 22.2,21 22.2,22.3 23.1,23.2 23.272,23.2 23.275,23.202 24.002,23.202 24.3,23.5 24.3,26.4 24.6,26.7 J22.42@25.26,26.7
  Bottom Layer w0.152: U3.4@20.925,7.555 20.925,6.825 20.7,6.6 20.7,3.7 21.076,3.324 23.324,3.324 23.8,3.8 v1(23.8,6.3)
CAN3_TX: J22.40 U3.1 | length 24.4
  Top Layer w0.152: v1@24.2,6.9 24.224,6.924 24.224,7.023 24,7.247 24,12.9 22.002,14.898 22.002,19.459 22.874,20.331 22.874,22.274 23.4,22.8 24.2,22.8 24.684,23.284 24.684,26.171 24.789,26.276 25.236,26.276 J22.40@25.26,26.3
  Bottom Layer w0.152: U3.1@22.875,7.555 22.886,7.544 22.886,7.014 23,6.9 v1(24.3,6.9)
CAP_5V_FLT: D31.2 F12.3 J14.1 | length 5.1
  Bottom Layer w0.5: D31.2@58.05,41.915 58.05,41.885 58.05,41.05 F12.3@57.9,40.9 59.388,40.9 60.361,41.873 61.361,41.873 61.411,41.923 J14.1@61.411,42.03
CS1_EXT1: D26.1 D26.10 J11.5 R42.2 | length 8.6
  Bottom Layer w0.152: J11.5@4.975,12.45 6.15,12.45 6.3,12.3 6.3,11.8 6.5,11.6 D26.10@7,11.6 D26.1@7.8,11.6 8.6,11.6 9.402,10.798 9.402,9.953 9.404,9.95 9.404,8.496 9.7,8.2 R42.2@10.2,8.2
CTS_TELEM1: D7.2 D7.9 J3.4 R15.3 | length 6.2
  Bottom Layer w0.152: J3.4@41.1,4.95 41.2,5.05 D7.9@41.2,8.525 D7.2@41.2,9.325 41.2,9.85 41.3,9.95 R15.3@41.3,10.865 R15.3@41.3,10.9 ; J3.4@41.1,5.025 J3.4@41.2,5.125
CTS_TELEM2: D11.2 D11.9 J5.4 R24.3 | length 7.2
  Bottom Layer w0.152: J5.4@28.375,5.025 28.375,6.675 30,8.3 D11.9@30,9.15 D11.2@30,9.95 30,11.415 R24.3@30.1,11.515
DRDY1_EXT1: D27.2 D27.9 J11.8 R106.2 | length 7.5
  Bottom Layer w0.152: J11.8@4.975,16.2 6.2,16.2 6.4,16.2 6.5,16.1 D27.9@7,16.1 D27.2@7.8,16.1 8.4,16.1 9.7,17.4 9.7,19 9.9,19.2 R106.2@10.2,19.2